# Allegro board 6089-103-RevA_73.brd (continued)
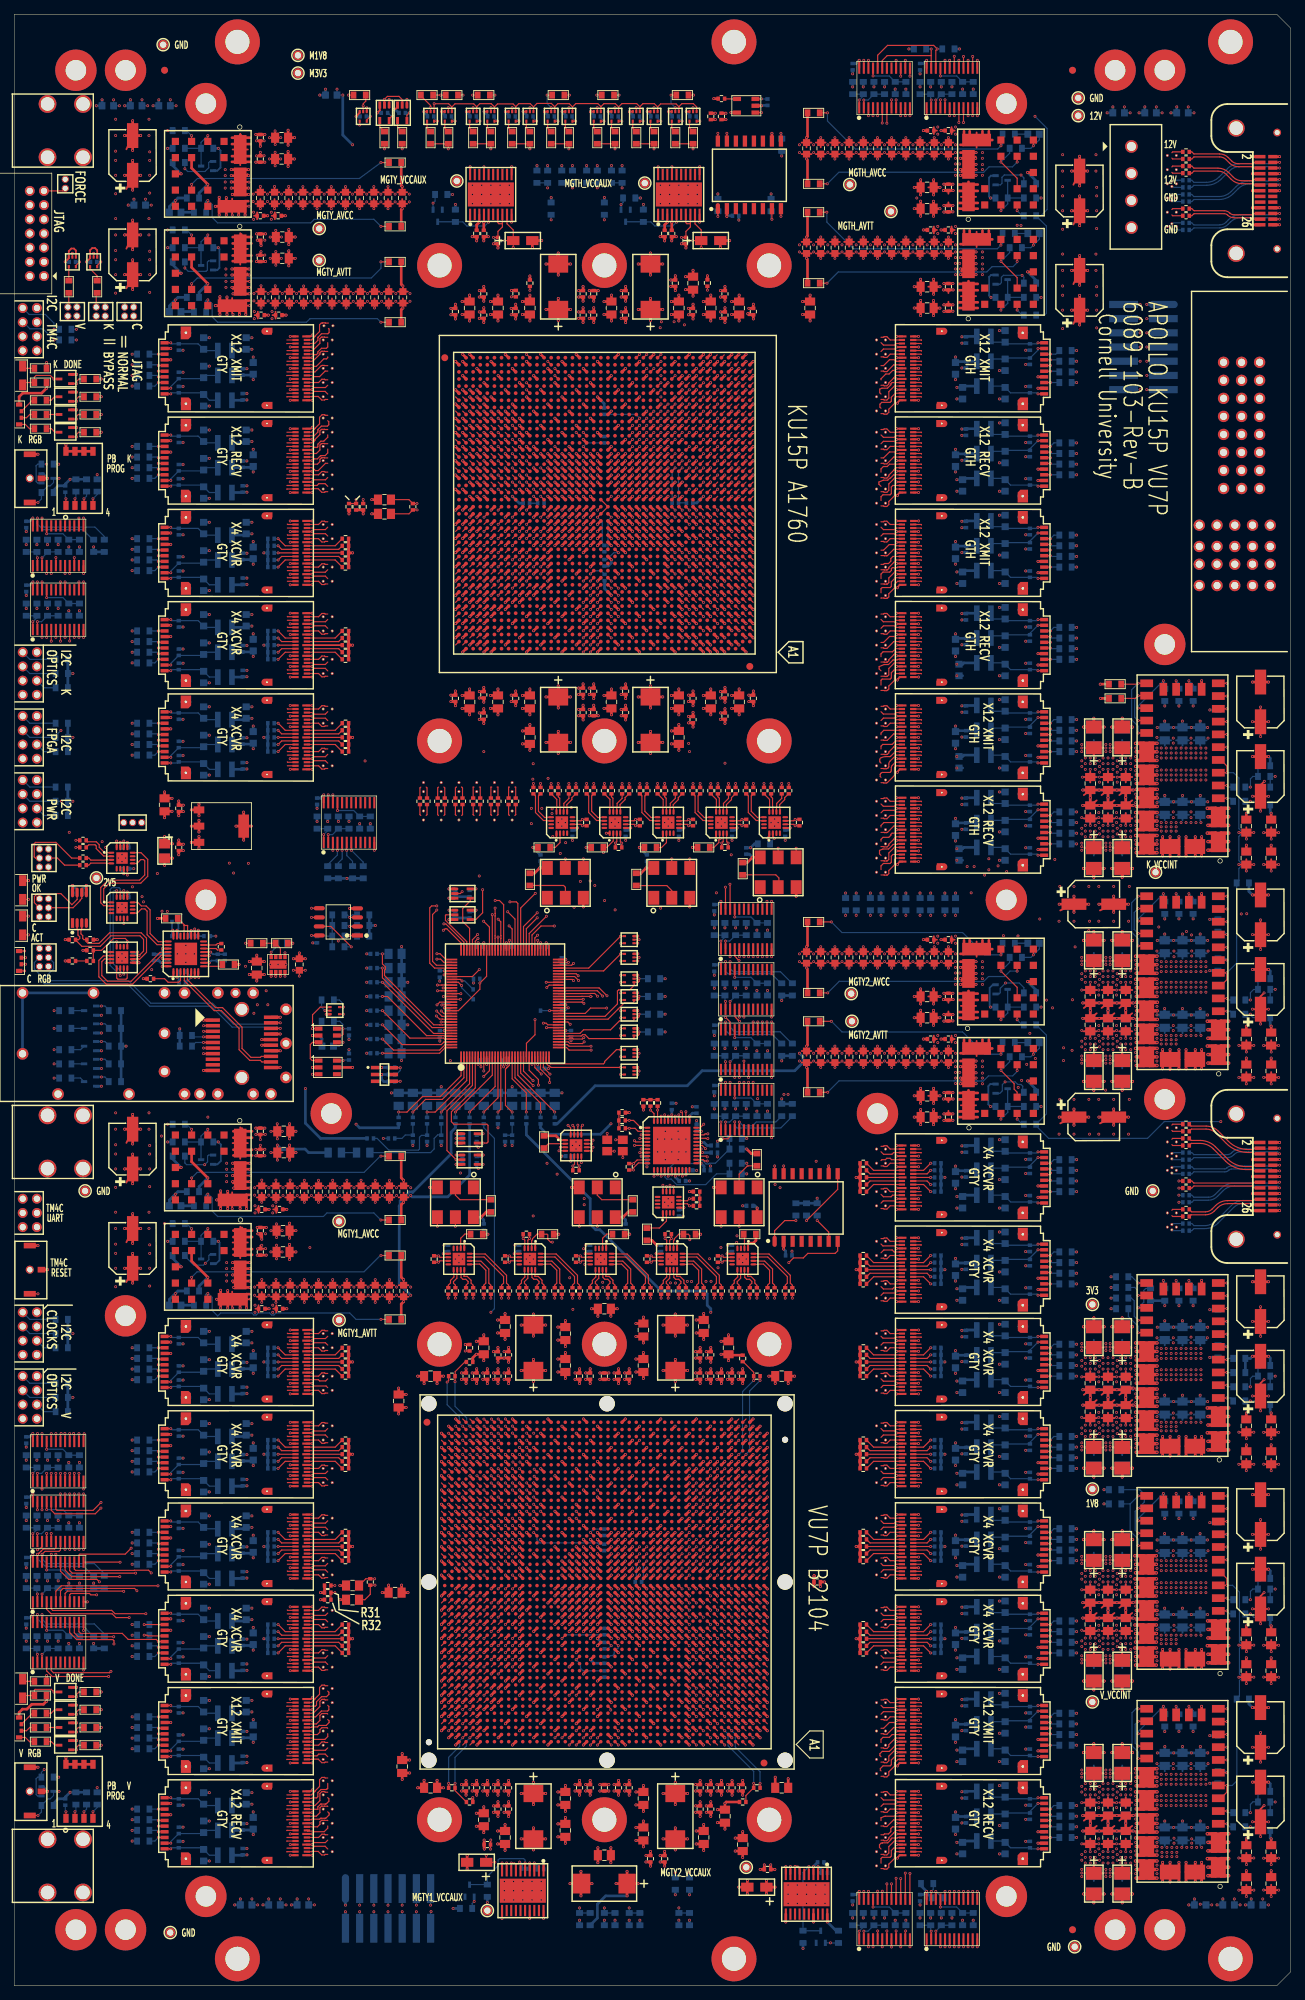
[diagram p0: board, top side]
## Routing (per net, layer and track width the routed paths; a pad name or vN(x,y) marks a point on that pad's centre or on a via; arc(x,y) is an arc through that point) (continued)
AC_NV_CLK1_CHAN1: length 40.7
  TOP w0.165: C244.2 v1(94.7,96.89) ; U66.AF10 v1(97.15,59.85)
  SIG1 w0.083: v1(94.7,96.89) 94.63,96.89 94.27,96.53 94.27,86.87 94.74,86.4 94.74,61.65 94.9,61.49 96.33,61.49 96.76,61.06 96.76,59.94 96.84,59.85 v1(97.15,59.85)
AC_NV_CLK1_CHAN2: length 52.8
  TOP w0.165: C257.2 v1(97.2,96.89) ; U66.P10 v1(97.15,46.94)
  SIG2 w0.083: v1(97.2,96.89) 96.89,96.89 96.8,96.81 96.8,95.07 95.69,93.96 95.69,85.09 96.76,84.02 96.76,47.02 96.84,46.94 v1(97.15,46.94)
AC_NV_CLK1_CHAN3: length 61.4
  TOP w0.165: C273.2 v1(99.7,96.89) ; U66.F10 v1(97.15,38.93)
  SIG2 w0.083: v1(97.15,38.93) 96.84,38.93 96.76,39.02 96.76,40.23 96.89,40.36 97.39,40.36 97.41,40.37 97.46,40.37 97.8,40.72 97.8,72.7 97.8,72.7 97.8,80.02 97.8,80.03 97.8,83.48 98.85,84.52 98.85,85.18 98.72,85.31 98.72,86.49 98.84,86.61 98.84,93.28 99.3,93.75 99.3,96.81 99.39,96.89 v1(99.7,96.89)
AC_NV_CLK1_CHAN4: length 37.6
  TOP w0.165: C151.2 v1(72.2,96.89) ; U66.AU37 v1(69.25,70.85)
  SIG1 w0.083: v1(69.25,70.85) 69.56,70.85 69.64,70.93 69.64,83.92 68.39,85.17 68.39,86.63 68.67,86.92 68.67,87.96 68.37,88.27 68.37,89.61 68.57,89.82 68.57,92.51 65.51,95.57 65.51,97.48 65.82,97.79 71.19,97.79 71.8,97.18 71.8,96.98 71.89,96.89 v1(72.2,96.89)
AC_NV_CLK1_CHAN5: length 39.5
  TOP w0.165: U66.AJ37 v1(69.25,62.88) ; C160.2 v1(74.7,96.89)
  SIG2 w0.083: v1(74.7,96.89) 74.7,97.17 74.38,97.49 73.32,97.49 72.21,96.37 72.21,85.6 69.64,83.03 69.64,62.96 69.56,62.88 v1(69.25,62.88)
AC_NV_CLK1_CHAN6: length 49.8
  TOP w0.165: U66.AA37 v1(69.25,53.95) ; C166.2 v1(77.2,96.89)
  SIG2 w0.083: v1(77.2,96.89) 76.89,96.89 76.8,96.98 76.8,97.34 76.57,97.58 76.06,97.58 73.99,95.5 73.99,85.45 70.61,82.08 70.61,74.02 70.68,73.96 70.68,73.65 70.61,73.58 70.61,54.82 70.36,54.56 69.97,54.56 69.64,54.23 69.64,54.03 69.56,53.95 v1(69.25,53.95)
AC_NV_CLK1_CHAN7: length 61.1
  TOP w0.165: C174.2 v1(79.7,96.89) ; U66.N37 v1(69.25,45.95)
  SIG1 w0.083: v1(79.7,96.89) 79.39,96.89 79.3,96.81 79.3,96.69 79.45,96.54 79.45,88.25 72.85,81.65 72.85,46.51 72.67,46.32 68.97,46.32 68.8,46.16 68.8,45.57 68.88,45.49 69.56,45.49 69.64,45.57 69.64,45.86 69.56,45.95 v1(69.25,45.95)
AC_NV_TTC_CLK40: length 148
  TOP w0.165: U66.AN33 v1(73.24,66.86)
  SIG3 w0.083: v1(73.24,66.86) 73.54,66.86 73.63,66.78 73.63,65.81 arc(73.6,65.7) 73.54,65.61 73.52,65.58 arc(73.41,65.51) 73.29,65.49 47.41,65.49 arc(46.36,65.7) 45.47,66.29 43.85,67.91 arc(42.99,68.49) 41.96,68.69 33.88,68.69 arc(33.23,68.82) 32.68,69.19 26.02,75.86 arc(25.7,76.33) 25.59,76.89 25.59,99.63 25.59,99.63 25.59,100.07 25.59,100.07 25.59,106.45 25.59,106.45 25.59,106.93 25.59,106.93 25.59,113.33 25.59,113.33 25.59,114.07 25.59,114.07 25.59,118.3 12.56,131.33 10.74,131.33 2.25,139.82 2.25,146.07 1.64,146.68 1.64,154.43 J9.6
AC_NV_TTC_IN: length 95.1
  TOP w0.165: U66.AV1 106.17,71.87
  SIG4 w0.083: VA148.2 162.5,106.52 arc(162.42,106.54) 162.35,106.58 162.23,106.7 arc(162.12,106.77) 161.99,106.8 151.26,106.8 arc(149.66,107.12) 148.3,108.03 145.08,111.25 arc(144.38,111.72) 143.56,111.88 140.2,111.88 arc(139.46,112.03) 138.84,112.44 138.66,112.63 arc(137.97,113.08) 137.16,113.25 121.86,113.25 arc(120.94,113.06) 120.16,112.54 114.67,107.05 arc(114.1,106.19) 113.89,105.18 113.89,102.02 arc(113.91,101.99) 113.94,101.98 arc(113.97,101.97) 113.98,101.94 113.98,101.69 arc(113.97,101.66) 113.94,101.65 arc(113.91,101.64) 113.89,101.61 113.89,101.36 arc(113.91,101.33) 113.94,101.32 arc(113.97,101.31) 113.98,101.28 113.98,101.03 arc(113.97,101) 113.94,100.99 arc(113.91,100.98) 113.89,100.95 113.89,100.7 arc(113.91,100.67) 113.94,100.66 arc(113.97,100.65) 113.98,100.62 113.98,100.37 arc(113.97,100.34) 113.94,100.33 arc(113.91,100.32) 113.89,100.29 113.89,86.02 arc(113.77,85.38) 113.4,84.84 112.88,84.31 arc(112.6,83.9) 112.51,83.41 112.51,79.5 arc(112.26,78.26) 111.56,77.2 106.75,72.4 arc(106.53,72.25) 106.27,72.2 105.89,72.2 arc(105.85,72.19) 105.82,72.17 105.79,72.14 arc(105.77,72.11) 105.77,72.08 105.77,71.95 105.85,71.87 106.17,71.87
  BOTTOM w0.165: C505.2 163.32,106.4 VA148.2
AC_NV_TTS_OUT: length 10.7
  TOP w0.165: C448.1 165.82,108.57 arc(165.89,108.61) 165.97,108.63 167.93,108.63 arc(168.6,108.76) 169.16,109.14 169.66,109.64 arc(170.3,110.07) 171.05,110.22 174.58,110.22 174.77,110.03 P3.24
AC_NV_UTIL_CLK_CHAN0: length 32.8
  TOP w0.165: C190.2 v1(82.2,96.89) ; U66.AW8 v1(99.16,72.86)
  SIG4 w0.083: v1(82.2,96.89) 81.75,96.45 81.75,96.22 82.84,95.14 82.84,94.1 97.82,79.12 97.82,78.71 98.77,77.76 98.77,72.94 98.85,72.86 v1(99.16,72.86)
AC_NV_UTIL_CLK_CHAN1: length 35.2
  TOP w0.165: U66.BA41 v1(65.23,74.87) ; C201.2 v1(84.7,96.89)
  SIG4 w0.083: v1(65.23,74.87) 65.54,74.87 65.63,74.95 65.63,80.08 76.19,90.64 76.79,90.64 80.39,94.24 80.39,97.03 80.9,97.53 84.1,97.53 84.3,97.33 84.3,96.98 84.39,96.89 v1(84.7,96.89)
AC_NV_UTIL_CLK_CHAN2: length 34.9
  TOP w0.165: C214.2 v1(87.2,96.89) ; U66.BB35 v1(71.23,75.86)
  SIG2 w0.083: v1(71.23,75.86) 71.23,75.55 71.31,75.47 74.42,75.47 74.66,75.71 74.66,84.11 75.55,85 75.55,89.07 83.12,96.65 83.12,97.13 83.63,97.64 86.52,97.64 86.79,97.37 86.89,97.27 86.89,97.18 86.8,97.09 86.8,96.98 86.89,96.89 v1(87.2,96.89)
AC_NV_UTIL_CLK_CHAN3: length 66.5
  TOP w0.165: U66.H28 v1(78.24,40.94) ; C225.2 v1(89.7,96.89)
  SIG1 w0.083: v1(89.7,96.89) 89.39,96.89 89.3,96.81 89.3,96.69 89.37,96.63 89.37,84.41 83.34,78.38 83.34,57.86 82.8,57.32 78.7,57.32 77.8,56.42 77.8,40.7 77.91,40.6 78.55,40.6 78.63,40.68 78.63,40.86 78.55,40.94 v1(78.24,40.94)
AC_PC2C0_K_TO_V: length 100.9
  TOP w0.165: U66.BC45 61.25,76.87 ; C132.2 68.2,165.02 68.2,165.02 68.08,164.9
  SIG1 w0.083: 61.25,76.87 60.93,76.87 60.84,76.95 60.84,77.1 arc(60.85,77.13) 60.87,77.16 60.9,77.19 arc(60.93,77.21) 60.96,77.22 65.27,77.22 arc(65.42,77.25) 65.55,77.33 65.64,77.42 arc(65.75,77.59) 65.79,77.79 65.79,81.88 arc(65.74,82.15) 65.58,82.38 62.86,85.11 arc(62.74,85.27) 62.71,85.47 62.71,92.5 arc(62.63,92.91) 62.4,93.25 59.65,96 arc(59.51,96.21) 59.46,96.45 59.46,104.69 arc(59.59,105.31) 59.94,105.84 60.66,106.56 arc(61.28,107.48) 61.49,108.58 61.49,127.31 61.49,127.31 arc(61.63,127.98) 62.01,128.55 66.29,132.84 arc(66.79,133.58) 66.97,134.46 66.97,161.37 arc(67.06,161.84) 67.33,162.25 67.56,162.48 arc(67.77,162.79) 67.85,163.17 67.85,163.6 arc(67.88,163.75) 67.97,163.88 68.02,163.94 arc(68.06,164.01) 68.08,164.09 68.08,164.9
AC_PC2C0_V_TO_K: length 25.8
  TOP w0.165: C103.2 63.2,168.78 63.08,168.9 63.08,168.9 ; U65.D41 63.23,190.93
  SIG1 w0.083: 63.08,168.9 63.08,169.6 arc(63.05,169.74) 62.98,169.86 62.91,169.92 arc(62.81,170.07) 62.78,170.24 62.78,181.84 arc(62.84,182.15) 63.02,182.41 63.6,182.99 arc(63.79,183.28) 63.86,183.62 63.86,188.94 arc(63.82,189.16) 63.69,189.34 63.68,189.35 arc(63.5,189.47) 63.28,189.52 63.1,189.52 arc(62.99,189.54) 62.9,189.59 arc(62.9,189.59) 62.9,189.59 arc(62.81,189.68) 62.78,189.81 62.78,190.77 62.94,190.93 63.23,190.93
AC_PC2C1_K_TO_V: length 104.9
  TOP w0.165: 70.58,164.9 70.7,165.02 70.7,165.02 C148.2 ; U66.BA45 61.25,74.87
  SIG1 w0.083: 61.25,74.87 60.93,74.87 60.84,74.95 60.84,75.07 arc(60.89,75.17) 60.99,75.21 66.39,75.21 arc(66.55,75.24) 66.68,75.33 66.73,75.38 arc(66.83,75.53) 66.87,75.71 66.87,82.16 arc(66.81,82.46) 66.64,82.71 64.25,85.1 arc(64.15,85.26) 64.11,85.44 64.11,86.21 arc(64.15,86.41) 64.25,86.57 64.4,86.71 arc(64.54,86.92) 64.59,87.16 64.59,91.68 arc(64.53,91.99) 64.35,92.25 60.93,95.67 60.87,95.73 arc(60.68,96.01) 60.61,96.35 60.61,96.62 arc(60.71,97.09) 60.97,97.49 61.32,97.84 arc(61.52,98.13) 61.59,98.48 61.59,103.51 arc(61.67,103.94) 61.92,104.3 63.27,105.65 arc(63.55,106.08) 63.65,106.58 63.65,128.47 arc(63.73,128.87) 63.96,129.21 68.6,133.86 arc(68.89,134.29) 69,134.81 69,152.21 arc(69.07,152.55) 69.26,152.84 69.9,153.48 arc(70.21,153.95) 70.32,154.5 70.32,163.75 arc(70.33,163.82) 70.38,163.88 70.51,164.02 arc(70.56,164.1) 70.58,164.19 70.58,164.9
AC_PC2C1_V_TO_K: length 23.9
  TOP w0.165: U65.C39 65.23,189.93 ; C115.2 65.7,168.89 65.58,168.9
  SIG1 w0.083: 65.58,168.9 65.58,168.95 65.58,169.59 arc(65.56,169.69) 65.5,169.78 65.32,169.96 arc(65.29,170.01) 65.28,170.07 65.28,170.93 arc(65.24,171.09) 65.16,171.22 65.14,171.23 arc(65.13,171.26) 65.12,171.29 65.12,182.63 arc(65.08,182.81) 64.98,182.97 64.92,183.03 arc(64.85,183.12) 64.83,183.24 64.83,189.84 64.91,189.93 65.23,189.93
AC_PC2C2_K_TO_V: length 99.4
  TOP w0.165: C93.2 58.2,165.02 58.08,164.9 ; U66.AW45 61.25,72.86
  SIG1 w0.083: 58.08,164.9 58.08,164.07 arc(58.06,163.96) 57.99,163.86 57.97,163.84 arc(57.88,163.7) 57.84,163.53 57.84,163.03 arc(57.74,162.49) 57.44,162.04 56.23,160.83 arc(56.21,160.79) 56.23,160.75 arc(56.24,160.71) 56.23,160.66 56.08,160.51 arc(56.03,160.5) 55.99,160.51 arc(55.95,160.53) 55.91,160.51 54.07,158.67 arc(53.91,158.44) 53.85,158.16 53.85,122.95 arc(53.91,122.66) 54.08,122.41 54.19,122.29 arc(54.39,122) 54.46,121.66 54.46,111.12 54.45,111.11 54.45,98.69 54.46,98.68 54.46,98.22 54.45,98.21 54.45,97.54 54.46,97.53 54.46,97.07 54.45,97.06 54.45,85.74 arc(54.5,85.47) 54.66,85.24 54.69,85.2 arc(54.83,85) 54.88,84.76 54.88,79.64 arc(54.95,79.28) 55.15,78.98 59.56,74.57 arc(59.73,74.31) 59.79,74.01 59.79,73.82 arc(59.81,73.72) 59.87,73.63 59.91,73.6 arc(59.98,73.55) 60.07,73.53 60.44,73.53 arc(60.63,73.49) 60.79,73.38 60.81,73.36 arc(60.87,73.27) 60.89,73.16 60.89,73 61.04,72.86 61.25,72.86
AC_PC2C2_V_TO_K: length 25.4
  TOP w0.165: 60.58,168.9 60.7,168.78 C97.2 ; U65.B41 63.23,188.93
  SIG1 w0.083: 60.58,168.9 60.58,169.67 arc(60.54,169.87) 60.43,170.04 60.36,170.11 arc(60.29,170.22) 60.26,170.35 60.26,170.68 arc(60.22,170.87) 60.11,171.03 58.32,172.82 arc(57.81,173.58) 57.63,174.48 57.63,179.76 arc(57.83,180.76) 58.4,181.61 62.02,185.23 arc(62.62,186.13) 62.84,187.19 62.84,188.53 63.23,188.93
AC_PHIGH_PERF_CLK_IN: length 86
  TOP w0.165: U80.6 94.34,110.15 94.38,110.19 94.9,110.19 v1(95.19,109.9) R139.1
  SIG2 w0.083: v1(95.19,109.9) 95.19,110.21 95.28,110.3 108.78,110.3 118.86,120.38 160.31,120.38 arc(160.35,120.38) 160.39,120.37 arc(160.43,120.36) 160.47,120.34 arc(160.5,120.32) 160.54,120.29 arc(160.99,120) 161.51,119.9 162.88,119.9 arc(163.57,119.76) 164.15,119.37 164.64,118.88 arc(164.91,118.48) 165,118.01 165,111.37 arc(164.98,111.26) 164.92,111.17 164.78,111.03 arc(164.76,111.02) 164.73,111.01 164.58,111.01 arc(164.48,111.03) 164.39,111.09 164.19,111.29 v1(164.19,111.4)
  BOTTOM w0.165: C502.2 v1(164.19,111.4)
AC_PK_CLK0_CHAN0: length 57
  TOP w0.165: U65.AG12 v1(93.17,214.87) ; C309.2 v1(109.2,169.41)
  SIG2 w0.083: v1(93.17,214.87) 93.49,214.87 93.57,214.96 93.57,215.07 93.38,215.26 92.94,215.26 92.76,215.07 92.76,209.66 93.1,209.32 94.94,209.32 95.78,208.48 95.78,187.5 99.56,183.72 100.2,183.72 103.22,180.69 103.22,175.25 107.08,171.4 107.37,171.4 108.8,169.96 108.8,169.49 108.89,169.41 v1(109.2,169.41)
AC_PK_CLK0_CHAN1: length 48.5
  TOP w0.165: C303.2 v1(106.7,169.41) ; U65.AA12 v1(93.17,207.93)
  SIG2 w0.083: v1(93.17,207.93) 93.49,207.93 93.57,208.01 93.57,208.37 93.49,208.46 93.08,208.46 92.8,208.18 92.8,203.77 93.02,203.55 94.5,203.55 94.75,203.31 94.75,202.17 94.75,202.17 94.75,201.69 94.75,201.68 94.75,185.4 99.04,181.11 99.04,177.96 106.3,170.7 106.3,169.49 106.39,169.41 v1(106.7,169.41)
AC_PK_CLK0_CHAN2: length 41.2
  TOP w0.165: C297.2 v1(104.2,169.41) ; U65.R12 v1(93.17,201.93)
  SIG2 w0.083: v1(104.2,169.41) 103.89,169.41 103.8,169.49 103.8,170.2 99.81,174.19 98.25,174.19 94.58,177.85 94.58,180.74 92.79,182.53 92.79,202.13 92.88,202.22 93.48,202.22 93.57,202.13 93.57,202.01 93.49,201.93 v1(93.17,201.93)
AC_PK_CLK0_CHAN4: length 48.7
  TOP w0.165: C173.2 v1(79.2,169.41) ; U65.AD32 v1(72.23,211.87)
  SIG1 w0.083: v1(79.2,169.41) 78.89,169.41 78.8,169.49 78.8,170.13 76.06,172.87 76.06,181.63 74.91,182.79 74.91,187.72 74.85,187.77 74.85,208.77 74.65,208.97 72.17,208.97 71.83,209.31 71.83,211.79 71.91,211.87 v1(72.23,211.87)
AC_PK_CLK0_CHAN5: length 40.2
  TOP w0.165: C165.2 v1(76.7,169.41) ; U65.V32 v1(72.23,204.93)
  SIG1 w0.083: v1(72.23,204.93) 71.91,204.93 71.83,204.84 71.83,204.62 71.94,204.51 73.47,204.51 73.85,204.12 73.85,187.77 73.87,187.75 73.87,172.76 76.3,170.33 76.3,169.49 76.39,169.41 v1(76.7,169.41)
AC_PK_CLK0_CHAN6: length 35.8
  TOP w0.165: U65.P32 v1(72.23,200.93) ; C159.2 v1(74.2,169.41)
  SIG1 w0.083: v1(72.23,200.93) 71.91,200.93 71.83,200.84 71.83,199.78 72.08,199.53 72.59,199.53 72.85,199.27 72.85,183.98 71.3,182.43 71.3,173.45 73.8,170.95 73.8,169.49 73.89,169.41 v1(74.2,169.41)
AC_PK_CLK1_CHAN0: length 64.4
  TOP w0.165: U65.AF10 v1(95.17,213.87) ; C286.2 v1(101.7,169.41)
  SIG2 w0.083: v1(101.7,169.41) 101.39,169.41 101.3,169.32 101.3,168.97 101.84,168.43 109.3,168.43 110.07,169.2 110.07,177.78 103.25,184.59 99.68,184.59 96.59,187.68 96.59,209.1 95.6,210.09 95.6,213.76 95.49,213.87 v1(95.17,213.87)
AC_PK_CLK1_CHAN1: length 45.8
  TOP w0.165: C270.2 v1(99.2,169.41) ; U65.Y10 v1(95.17,206.93)
  SIG1 w0.083: v1(99.2,169.41) 98.89,169.41 98.8,169.49 98.8,169.69 98.76,169.74 98.76,181.48 94.73,185.5 94.73,187.67 94.75,187.69 94.75,195.12 94.98,195.35 96.38,195.35 96.75,195.72 96.75,203.17 96.39,203.53 94.84,203.53 94.76,203.62 94.76,207.05 95.03,207.32 95.37,207.32 95.57,207.13 95.57,207.01 95.49,206.93 v1(95.17,206.93)
AC_PK_CLK1_CHAN2: length 37.1
  TOP w0.165: U65.P10 v1(95.17,200.93) ; C252.2 v1(96.7,169.41)
  SIG1 w0.083: v1(96.7,169.41) 96.39,169.41 96.3,169.49 96.3,169.69 96.11,169.88 96.11,170.39 96.56,170.84 96.56,182.3 96.26,182.6 96.26,182.66 93.77,185.16 93.77,201.03 94.03,201.29 95.4,201.29 95.57,201.13 95.57,201.01 95.49,200.93 v1(95.17,200.93)
AC_PK_CLK1_CHAN4: length 50.2
  TOP w0.165: C211.2 v1(86.7,169.41) ; U65.AC30 v1(74.23,210.87)
  SIG1 w0.083: v1(74.23,210.87) 73.91,210.87 73.83,210.79 73.83,210.67 74.05,210.45 75.43,210.45 75.84,210.05 75.84,182.96 78.02,180.78 78.02,177.15 83.61,171.56 85.35,171.56 86.27,170.65 86.27,170.01 86.7,169.58 v1(86.7,169.41)
AC_PK_CLK1_CHAN5: length 40.9
  TOP w0.165: C200.2 v1(84.2,169.41) ; U65.U30 v1(74.23,203.93)
  SIG2 w0.083: v1(74.23,203.93) 73.91,203.93 73.83,203.84 73.83,203.73 74,203.56 74.56,203.56 74.85,203.27 74.85,187.46 77.75,184.56 77.75,177.5 83.8,171.45 83.8,169.49 83.89,169.41 v1(84.2,169.41)
AC_PK_CLK1_CHAN6: length 35.5
  TOP w0.165: C189.2 v1(81.7,169.41) ; U65.N30 v1(74.23,199.93)
  SIG2 w0.083: v1(81.7,169.41) 81.39,169.41 81.3,169.49 81.3,171.38 75.83,176.86 75.83,184.72 73.83,186.72 73.83,199.84 73.91,199.93 v1(74.23,199.93)
AC_PK_TTC_CLK40: length 99.1
  TOP w0.165: U65.K23 v1(81.23,196.93)
  SIG3 w0.083: v1(81.23,196.93) 81.23,196.61 81.14,196.53 54.33,196.53 46.8,189 46.8,185.6 43.91,182.71 20.41,182.71 4.15,166.45 4.15,160.95 4.1,160.9 4.1,160.7 3.56,160.17
AC_PK_TTC_IN: length 89.4
  TOP w0.165: U65.AY2 103.1,227.8
  SIG2 w0.083: VA142.1 162.52,248.28 arc(162.43,248.26) 162.35,248.21 162.2,248.06 arc(162.13,248.02) 162.05,248 161.79,248 arc(161.68,247.98) 161.58,247.91 161.58,247.91 arc(161.56,247.89) 161.55,247.88 161.18,247.51 arc(161.13,247.44) 161.12,247.36 161.12,226.04 arc(160.96,225.25) 160.51,224.57 158.03,222.1 arc(157.4,221.68) 156.66,221.53 135.21,221.53 arc(134.84,221.46) 134.53,221.25 arc(134.35,221.13) 134.14,221.09 126.02,221.09 arc(125.57,221.18) 125.18,221.44 124.13,222.49 arc(123.6,222.84) 122.97,222.97 112.54,222.97 arc(111.27,223.22) 110.18,223.95 106.36,227.77 arc(105.66,228.24) 104.82,228.4 103.82,228.4 arc(103.71,228.38) 103.62,228.32 103.58,228.28 arc(103.52,228.19) 103.5,228.08 103.5,227.89 103.42,227.8 103.1,227.8
  BOTTOM w0.165: VA142.1 163.32,248.4 C496.2
AC_PK_TTS_OUT: length 10.3
  TOP w0.165: C439.1 166.01,250.4 166.24,250.17 arc(166.31,250.13) 166.39,250.11 170.58,250.11 arc(171,250.02) 171.36,249.79 171.36,249.79 arc(171.64,249.6) 171.97,249.53 174.58,249.53 174.77,249.72 P2.22
AC_PK_UTIL_CLK_CHAN0: length 53.5
  TOP w0.165: U65.AL12 v1(93.17,218.87) ; C242.2 v1(94.2,169.41)
  SIG1 w0.083: v1(94.2,169.41) 93.89,169.41 93.8,169.49 93.8,171.15 92.2,172.75 92.2,182.94 92.73,183.46 92.73,187.66 92.75,187.69 92.75,218.91 93,219.16 93.49,219.16 93.57,219.07 93.57,218.96 93.49,218.87 v1(93.17,218.87)
AC_PK_UTIL_CLK_CHAN1: length 47.9
  TOP w0.165: U65.M32 v1(72.23,198.93) ; C230.2 v1(91.7,169.41)
  SIG2 w0.083: v1(91.7,169.41) 91.43,169.41 91.38,169.46 91.38,169.84 91.17,170.05 90.32,170.05 89.79,169.51 89.79,168.74 89.7,168.66 80.93,168.66 80.55,169.04 80.55,169.04 80.33,169.25 80.33,169.26 74.51,175.07 74.51,184.27 71.83,186.96 71.83,198.84 71.91,198.93 v1(72.23,198.93)
AC_PK_UTIL_CLK_CHAN2: length 30.8
  TOP w0.165: U65.G22 v1(82.23,193.93) ; C222.2 v1(89.2,169.41)
  SIG1 w0.083: v1(89.2,169.41) 88.89,169.41 88.8,169.32 88.8,169.11 88.58,168.88 87.85,168.88 87,169.73 87,185.09 83.13,188.96 83.13,193.81 83.01,193.93 v1(82.23,193.93)
AC_PLEGACY_CLK: length 121.4
  TOP w0.165: C1.2 v1(8.69,161.4) ; U81.43 v1(90.7,123.39) R131.1
  SIG4 w0.083: v1(90.7,123.39) 90.39,123.39 90.3,123.48 90.3,124.06 90.1,124.27 46.63,124.27 45.67,125.23 43.73,125.23 42.77,124.27 13.49,124.27 8.96,128.8 8.96,148.39 9.62,149.04 9.62,160.8 9.41,161 8.78,161 8.69,161.09 v1(8.69,161.4)
AC_PLHC_CLK_IN: length 93.9
  TOP w0.165: U81.1 88.34,120.9 87.31,121.93 v1(86.7,121.93) R119.1 ; C445.2 v1(164.19,113.4)
  SIG4 w0.083: v1(164.19,113.4) 164.19,113.03 164.11,112.95 163.56,112.95 163.47,113.03 163.47,113.31 165.1,114.93 arc(165.4,115.39) 165.51,115.93 165.51,119.61 arc(165.36,120.37) 164.93,121.02 164.57,121.37 arc(163.85,121.86) 163,122.02 149.09,122.02 arc(148.58,121.92) 148.15,121.64 147.58,121.06 arc(147.2,120.8) 146.75,120.69 98.71,120.69 98.39,121.01 95.51,121.01 95.01,121.51 86.79,121.51 86.71,121.59 v1(86.7,121.93)
AC_PMGT_K_TO_Z_1: length 14.6
  TOP w0.165: P2.9 v1(178.38,254.53)
  BOTTOM w0.165: C494.1 166.01,252.4 166.3,252.11 169.85,252.11 arc(170.78,252.29) 171.57,252.82 172.25,253.5 arc(173.14,254.09) 174.19,254.3 178.16,254.3 v1(178.38,254.53)
AC_PMGT_K_TO_Z_2: length 10.8
  TOP w0.165: C437.1 166.01,256.4 166.3,256.11 169.7,256.11 arc(170.52,255.95) 171.22,255.48 171.87,254.83 arc(172.42,254.46) 173.07,254.33 174.58,254.33 174.77,254.53 P2.10
AC_PMGT_V_TO_Z_1: length 14
  TOP w0.165: P3.9 v1(178.38,115.62)
  BOTTOM w0.165: C500.1 166.01,115.4 166.31,115.11 170.68,115.11 arc(170.81,115.13) 170.93,115.21 170.94,115.23 arc(171.25,115.43) 171.6,115.5 177.41,115.5 177.47,115.43 177.9,115.43 178.09,115.62 v1(178.38,115.62)
AC_PMGT_V_TO_Z_2: length 11.4
  TOP w0.165: C443.1 165.94,119.11 167.2,119.11 arc(168.36,118.88) 169.34,118.22 171.08,116.48 arc(172.24,115.71) 173.61,115.43 174.58,115.43 174.77,115.62 P3.10
AC_PMGT_Z_TO_K_1: length 76.7
  TOP w0.165: U65.BA4 101.1,228.8
  SIG1 w0.083: 101.1,228.8 101.42,228.8 101.49,228.88 arc(101.51,228.91) 101.52,228.95 101.52,229.94 arc(101.54,230.06) 101.61,230.16 115.21,243.76 arc(115.44,244.1) 115.52,244.5 arc(115.63,245.06) 115.95,245.53 125.03,254.61 arc(125.59,254.98) 126.25,255.11 131.42,255.11 arc(131.82,255.04) 132.16,254.81 132.43,254.54 arc(132.7,254.36) 133.02,254.3 156.3,254.3 arc(156.5,254.26) 156.67,254.14 156.7,254.12 arc(156.84,254.02) 157.01,253.99 162.06,253.99 162.39,254.32 162.92,254.32 162.96,254.28 VA139.1
  BOTTOM w0.165: C492.2 163.32,254.4 VA139.1
AC_PMGT_Z_TO_K_2: length 81.7
  TOP w0.165: U65.BB6 99.1,229.8 ; C435.2 163.32,258.4 163.2,258.28
  SIG1 w0.083: 163.2,258.28 162.78,258.28 162.74,258.32 162.39,258.32 162.03,257.96 156.9,257.96 arc(156.49,258.04) 156.14,258.28 154.85,259.57 arc(154.31,259.93) 153.67,260.05 128.74,260.05 arc(128.43,259.99) 128.17,259.82 arc(127.98,259.55) 127.89,259.24 arc(127.89,259.23) 127.88,259.22 arc(127.8,258.9) 127.6,258.63 126.11,257.13 arc(125.91,257) 125.68,256.95 124.18,256.95 arc(123.53,256.82) 122.97,256.46 113.44,246.92 113.44,246.92 113.14,246.63 113.14,246.63 111.4,244.88 arc(111.14,244.49) 111.05,244.03 111.05,242.66 arc(110.93,242.06) 110.58,241.55 105.3,236.26 arc(105.08,236.11) 104.82,236.03 arc(104.42,235.91) 104.09,235.67 99.77,231.35 arc(99.57,231.06) 99.5,230.7 99.5,230.06 arc(99.49,230) 99.46,229.96 99.3,229.8 99.1,229.8
AC_PMGT_Z_TO_V_1: length 93.3
  TOP w0.165: U66.BA2 105.15,74.87
  SIG4 w0.083: VA145.1 162.46,117.28 arc(162.29,117.25) 162.15,117.15 162.14,117.14 arc(162.08,117.1) 162.01,117.08 161.57,117.08 arc(161.17,117) 160.83,116.78 158.9,114.85 arc(158.08,114.3) 157.1,114.1 142.74,114.1 141.91,114.1 arc(141.62,114.15) 141.34,114.26 arc(140.97,114.43) 140.56,114.48 133.84,114.48 133.82,114.51 121.93,114.51 arc(120.65,114.25) 119.57,113.53 114,107.95 arc(113.11,106.62) 112.8,105.05 112.8,85.84 arc(112.7,85.38) 112.45,85 111.84,84.39 arc(111.52,83.91) 111.41,83.35 111.41,79.45 arc(111.24,78.62) 110.77,77.91 108.57,75.71 arc(108.35,75.56) 108.08,75.51 105.76,75.51 105.56,75.3 105.56,74.95 105.47,74.87 105.15,74.87
  BOTTOM w0.165: C498.2 163.32,117.4 VA145.1
AC_PMGT_Z_TO_V_2: length 103.7
  TOP w0.165: 163.2,121.28 163.32,121.4 C441.2 ; U66.BC2 105.15,76.87
  SIG4 w0.083: 163.2,121.28 162.53,121.28 arc(162.42,121.26) 162.32,121.19 162.16,121.04 arc(162.07,120.97) 161.95,120.95 161.83,120.95 arc(161.8,120.94) 161.77,120.92 159.31,118.46 arc(158.96,118.23) 158.55,118.15 144.36,118.15 arc(144.16,118.11) 143.99,118 143.89,117.9 arc(143.79,117.83) 143.67,117.81 135.9,117.81 arc(135.49,117.89) 135.15,118.12 133.87,119.39 arc(133.08,119.92) 132.14,120.11 122.86,120.11 arc(121.48,119.84) 120.31,119.05 112.11,110.85 arc(111.32,109.67) 111.05,108.29 111.05,85.89 arc(110.95,85.42) 110.69,85.03 109.94,84.28 arc(109.29,83.85) 108.53,83.69 108.41,83.69 arc(107.91,83.59) 107.48,83.31 105.83,81.66 arc(105.33,81.33) 104.75,81.21 102.94,81.21 arc(102.58,81.14) 102.27,80.93 102,80.66 arc(101.64,80.12) 101.51,79.48 101.51,77.73 arc(101.55,77.56) 101.64,77.41 101.72,77.33 arc(101.82,77.26) 101.94,77.24 105.44,77.24 arc(105.47,77.23) 105.5,77.22 105.53,77.18 arc(105.55,77.16) 105.56,77.12 105.56,76.95 105.47,76.87 105.15,76.87
AC_PV_CLK0_CHAN0: length 31
  TOP w0.165: C283.2 v1(101.2,96.89) ; U66.AT11 v1(96.16,69.86)
  SIG1 w0.083: v1(101.2,96.89) 101.58,96.51 101.58,91.77 100.05,90.24 100.05,86.79 99.9,86.65 99.9,85.33 100.16,85.07 100.16,84.83 96.55,81.23 96.55,69.94 96.47,69.86 v1(96.16,69.86)
AC_PV_CLK0_CHAN1: length 41.1
  TOP w0.165: C294.2 v1(103.7,96.89) ; U66.AH11 v1(96.16,61.86)
  SIG1 w0.083: v1(96.16,61.86) 96.47,61.86 96.55,61.94 96.55,64.09 96.91,64.45 97.5,64.45 97.59,64.53 97.59,80.33 101.77,84.52 102.84,84.52 103.3,84.97 103.3,94.99 104.17,95.86 104.17,96.68 103.95,96.89 v1(103.7,96.89)
AC_PV_CLK0_CHAN2: length 58.8
  TOP w0.165: U66.T11 v1(96.16,48.94) ; C301.2 v1(106.2,96.89)
  SIG1 w0.083: v1(96.16,48.94) 96.47,48.94 96.55,49.02 96.55,50.28 96.82,50.55 99.28,50.55 99.59,50.86 99.59,80.64 103.27,84.32 105.7,84.32 108.81,87.42 108.81,93.15 106.53,95.43 106.53,96.63 106.6,96.69 106.6,96.81 106.51,96.89 v1(106.2,96.89)
AC_PV_CLK0_CHAN3: length 67
  TOP w0.165: U66.H11 v1(96.16,40.94) ; C308.2 v1(108.7,96.89)
  SIG1 w0.083: v1(96.16,40.94) 96.47,40.94 96.55,41.02 96.55,47.16 96.91,47.52 97.39,47.52 97.42,47.49 100.23,47.49 100.61,47.87 100.61,80.32 103.95,83.67 106.69,83.67 109.6,86.58 109.6,95.56 109.12,96.04 109.12,96.66 108.88,96.89 v1(108.7,96.89)
AC_PV_CLK0_CHAN4: length 32.3
  TOP w0.165: U66.AV38 v1(68.23,71.87) ; C98.2 v1(61.2,96.89)
  SIG1 w0.083: v1(61.2,96.89) 61.7,96.4 61.7,95.72 65.59,91.82 65.59,86.66 65.37,86.44 65.37,85.18 67.65,82.9 67.65,74.61 67.5,74.46 67,74.46 66.66,74.11 66.66,71.58 67.04,71.2 67.56,71.2 67.84,71.48 67.84,71.79 67.92,71.87 v1(68.23,71.87)
AC_PV_CLK0_CHAN5: length 38.1
  TOP w0.165: C104.2 v1(63.7,96.89) ; U66.AL36 v1(70.24,64.86)
  SIG1 w0.083: v1(70.24,64.86) 69.93,64.86 69.85,64.78 69.85,64.53 69.58,64.26 69.04,64.26 68.67,64.64 68.67,83.39 66.84,85.21 66.84,86.55 67.17,86.88 67.17,88.05 66.91,88.32 66.91,92.61 64.1,95.42 64.1,96.81 64.01,96.89 v1(63.7,96.89)
AC_PV_CLK0_CHAN6: length 48
  TOP w0.165: C121.2 v1(66.2,96.89) ; U66.AC36 v1(70.24,55.93)
  SIG1 w0.083: v1(66.2,96.89) 66.51,96.89 66.6,96.81 66.6,96.42 70.61,92.41 70.61,74.03 70.68,73.96 70.68,73.65 70.61,73.58 70.61,58.02 70.66,57.97 70.66,57.37 70.24,56.95 69.08,56.95 68.74,56.6 68.74,55.58 68.95,55.38 69.58,55.38 69.85,55.64 69.85,55.84 69.93,55.93 v1(70.24,55.93)
AC_PV_CLK0_CHAN7: length 57
  TOP w0.165: C137.2 v1(68.7,96.89) ; U66.R36 v1(70.24,47.93)
  SIG1 w0.083: v1(68.7,96.89) 69.01,96.89 69.1,96.81 69.1,96.65 72.01,93.73 72.01,79.41 71.66,79.06 71.66,73.97 71.67,73.96 71.67,73.65 71.66,73.64 71.66,53.88 71.35,53.57 68.92,53.57 68.62,53.28 68.62,47.58 68.9,47.3 69.52,47.3 69.85,47.63 69.85,47.84 69.93,47.93 v1(70.24,47.93)
AC_PV_CLK1_CHAN0: length 36.4
  TOP w0.165: C228.2 v1(91.2,96.89) ; U66.AP11 v1(96.16,67.86)
  SIG1 w0.083: v1(91.2,96.89) 91.2,96.73 91.59,96.34 92.63,96.34 93.55,97.26 95.02,97.26 95.27,97.01 95.27,84.74 95.56,84.45 95.56,69.54 95.82,69.28 96.24,69.28 96.55,68.97 96.55,67.94 96.47,67.86 v1(96.16,67.86)
AC_PV_CLK1_CHAN1: length 40.6
  TOP w0.165: U66.AF11 v1(96.16,59.85) ; C241.2 v1(93.7,96.89)
  SIG1 w0.083: v1(96.16,59.85) 96.47,59.85 96.55,59.94 96.55,60.97 96.24,61.28 94.81,61.28 94.53,61.57 94.53,86.31 94.06,86.78 94.06,96.53 93.7,96.89 v1(93.7,96.89)
AC_PV_CLK1_CHAN2: length 52.8
  TOP w0.165: C251.2 v1(96.2,96.89) ; U66.P11 v1(96.16,46.94)
  SIG2 w0.083: v1(96.16,46.94) 96.47,46.94 96.55,47.02 96.55,83.93 95.49,85 95.49,94.05 96.6,95.16 96.6,96.81 96.51,96.89 v1(96.2,96.89)